# KiCad board for_real_486_2.kicad_pcb (continued)
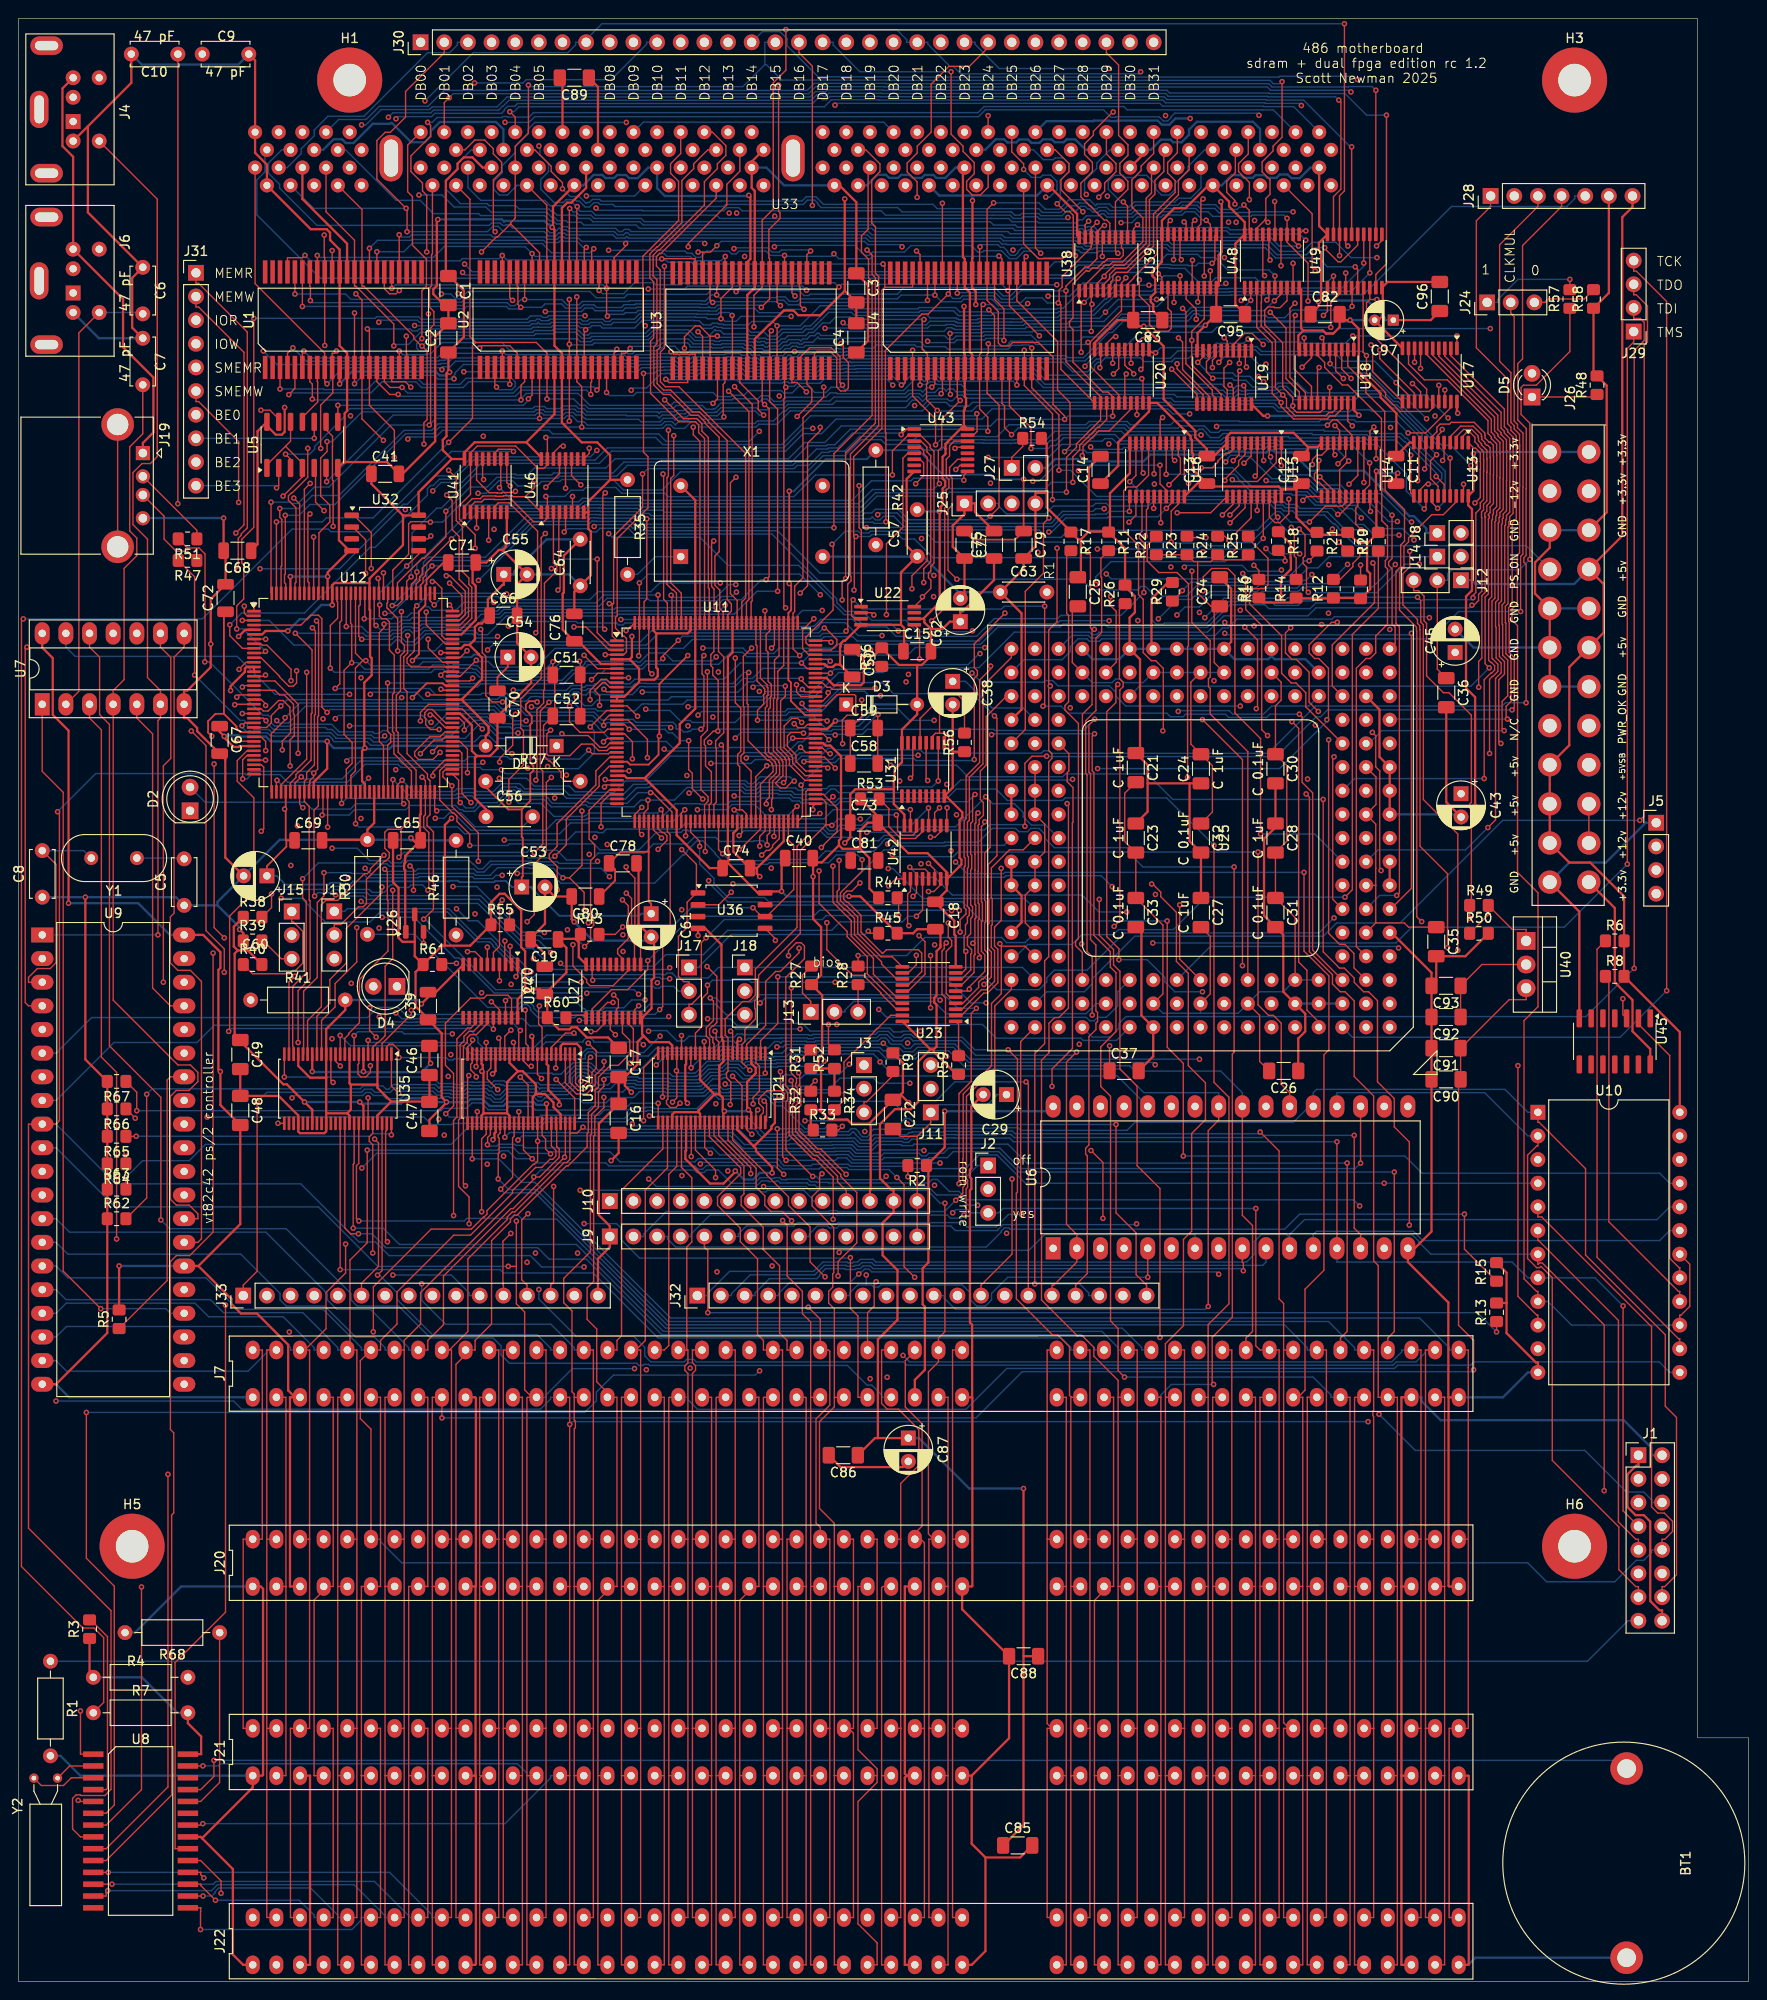
[diagram p0: board, top side]
## Routing (per net, layer and track width the routed paths; a pad name or vN(x,y) marks a point on that pad's centre or on a via; arc(x,y) is an arc through that point) (continued)
IRQ6: length 211.6
  Top w0.15: J21.22 77.46,22.1 ; 77.46,22.1 77.46,1.78 J22.22 ; 77.46,22.1 77.46,40.92 78.96,42.42 ; J20.22 78.96,42.42 ; 78.96,42.42 79.51,42.42 79.51,62.74 J7.22 ; v1(93.22,146.8) 93.22,154.43 94.99,156.2 94.99,163.61 95.52,164.14 U43.5
  In1.Cu w0.15: v1(67.43,65.7) 68.67,64.45 76,64.45 77.46,62.99 77.46,62.74 J7.22
  In2.Cu w0.15: v1(67.43,65.7) 67.23,65.89 67.23,73.69 62.02,78.9 62.02,90.52 62.24,90.74 62.24,91.99 63.79,93.54 63.79,97.25 63.78,97.26 63.78,98.39 63.81,98.42 63.81,99.69 64.72,100.6 64.72,105.96 65.5,106.74 65.5,110.87 64.27,112.09 64.27,117.79 64.39,117.91 64.39,119.85 64.95,120.41 64.95,122.79 64.75,122.99 64.75,124.11 64.56,124.3 64.56,127.02 64.91,127.38 64.91,128.2 64.99,128.27 64.99,134.69 65.83,135.54 65.83,136.05 66.24,136.47 67.18,136.47 v1(67.36,136.64) ; v1(92.58,138.1) 92.58,143.9 92.13,144.35 92.13,145.72 v1(93.22,146.8)
  Bottom w0.15: v1(92.58,138.1) 91.33,138.1 90.86,138.57 88.42,138.57 86.18,136.33 82.76,136.33 82.41,135.98 79.66,135.98 79.6,136.04 77.77,136.04 76.95,135.22 72.35,135.22 72.14,135.43 71.48,135.43 71.26,135.22 71.24,135.22 69.95,136.51 67.23,136.51 v1(67.36,136.64)
IRQ7: length 183
  Top w0.15: J20.21 74.92,42.42 ; 74.92,42.42 74.92,62.67 74.98,62.74 J7.21 ; 74.92,42.42 74.92,22.1 ; v1(88.02,75.77) 88.02,77.32 90.03,79.33 90.03,84.73 88.31,86.45 88.31,86.67 85.93,89.06 85.68,89.06 83.47,91.26 83.47,94.08 83.67,94.27 83.67,95.91 83.47,96.11 83.47,96.44 83.56,96.52 83.56,97 83,97.56 v1(83,106.72) ; 74.92,22.1 74.92,1.78 J22.21 ; 74.92,22.1 J21.21 ; U43.6 96.82,163.49 97.21,163.1 97.21,161.72 v1(96.35,160.86)
  In2.Cu w0.15: v1(83,106.72) 83,106.9 92.81,116.71 92.81,121.88 92.77,121.92 92.77,128.91 94.25,130.39 94.25,138.85 94.05,139.05 94.05,143.62 95.09,144.67 95.09,147.42 95.03,147.48 95.03,149.96 95.05,149.99 95.05,150.34 95.35,150.64 95.35,159.86 v1(96.35,160.86) ; v1(88.02,75.77) 86.74,74.49 86.74,72.91 82.3,68.46 82.3,67.35 79.01,64.06 78.04,64.06 76.97,62.99 76.97,62.74 J7.21
IRQ8: length 197.4
  Top w0.15: v1(6.4,19.44) 6.53,19.44 6.64,19.33 U8.5 ; v1(53.15,164.33) 52.92,164.56 51.53,164.56 51.14,164.17 U41.11 ; v1(0.5,146.35) 0.3,146.15 0.3,44.56 6.91,37.95 8.1,37.95 9.13,36.92 9.13,29.97 R7.1
  In2.Cu w0.15: R7.1 8.02,21.06 v1(6.4,19.44)
  Bottom w0.15: v1(0.5,146.35) 19.73,146.35 29.38,155.99 33.26,155.99 33.54,155.71 37.85,155.71 46.47,164.33 v1(53.15,164.33)
IRQ10: length 205.5
  Top w0.15: v1(49.94,161.31) 49.84,161.42 U41.13 ; J22.65 115.56,1.78 115.56,22.1 ; 115.56,22.1 115.56,40.92 117.06,42.42 ; 115.56,22.1 J21.65 ; v1(99.64,111.55) 99.42,111.33 99.42,110.91 99.18,110.67 99.18,106.01 99.56,105.63 99.56,99.48 v1(99.67,99.36) ; J20.65 117.06,42.42 ; 117.06,42.42 117.61,42.42 117.61,62.74 J7.65
  In1.Cu w0.15: v1(51.07,155.96) 51.94,155.96 56.91,151 61.18,151 63.61,148.56 63.69,148.56 64.03,148.23 64.03,148.13 69.16,143.01 69.58,143.01 70.12,142.46 70.12,141.72 73.89,137.95 74.36,137.95 82.61,129.69 83.36,129.69 83.82,129.23 85.7,129.23 86.39,128.54 88.81,128.54 89.72,127.63 90.14,127.63 93,124.77 93,124.75 93.75,124 93.77,124 93.98,123.79 94.02,123.79 96.38,121.44 v1(100.15,121.44)
  In2.Cu w0.15: J7.65 115.56,62.74 115.56,62.99 113.28,65.28 112.28,65.28 104.79,72.76 104.79,76.88 102.43,79.24 102.43,96.6 v1(99.67,99.36) ; v1(100.15,121.44) 100.07,121.35 100.07,115.77 99.19,114.9 99.19,112 v1(99.64,111.55) ; v1(51.07,155.96) 49.94,157.09 v1(49.94,161.31)
IRQ11: length 216.3
  Top w0.15: 118.1,62.74 118.1,64.55 115.49,67.16 115.49,68.1 114.24,69.35 113.71,69.35 109.87,73.19 109.87,98.93 110.67,99.73 110.67,102.92 111.28,103.52 111.75,103.52 112.77,104.54 112.77,126.36 v1(112.62,126.51) ; 118.1,62.74 J7.66 ; 118.1,62.74 118.1,42.42 ; 118.1,22.1 118.1,1.78 J22.66 ; 118.1,22.1 J21.66 ; 118.1,22.1 118.1,42.42 ; U41.14 49.19,161.25 50.54,159.9 51.38,159.9 51.41,159.86 51.89,159.86 51.95,159.92 53.24,159.92 v1(53.37,160.04) ; 118.1,42.42 J20.66
  In1.Cu w0.15: v1(112.62,126.51) 104.9,126.51 103.12,124.73 95.68,124.73 90.72,129.69 87.17,129.69 87.11,129.75 86.67,129.75 86.33,130.09 85.99,130.43 84.11,130.43 79.72,134.83 79.18,134.83 74.27,139.74 73.6,139.74 73.05,140.28 73.05,140.49 71.71,141.83 71.64,141.83 71.3,142.17 71.3,142.77 61.99,152.08 61.33,152.08 v1(53.37,160.04)
IRQ12: length 230.5
  Top w0.15: U41.3 v1(49.19,156.11) ; 122.69,42.42 122.69,22.1 ; 122.69,42.42 J20.67 ; 122.69,42.42 122.69,62.74 J7.67 ; 122.69,22.1 J21.67 ; 122.69,22.1 122.69,1.78 J22.67 ; v1(130.56,119.7) 130.56,99.79 130.37,99.6 130.37,71.34 128.21,69.18 128.21,64.27 v1(128.36,64.12)
  In1.Cu w0.15: v1(49.19,156.11) 50.1,156.11 53.64,152.58 54.7,152.58 56.41,150.87 56.41,150.08 67.41,139.08 71.36,139.08 73.99,136.45 74.74,136.45 76.38,134.8 76.38,133.33 77.58,132.13 77.58,131.16 77.92,130.82 79.29,130.82 82.83,127.29 83.44,127.29 83.51,127.22 86.69,127.22 87.23,126.68 87.47,126.68 87.58,126.57 89.69,126.57 93.53,122.74 93.59,122.74 93.97,122.35 93.97,121.15 v1(93.85,121.03)
  Bottom w0.15: v1(128.36,64.12) 123.82,64.12 122.69,62.99 122.69,62.74 J7.67 ; v1(130.56,119.7) 120.77,119.7 119.16,121.3 100.88,121.3 100.38,120.81 94.08,120.81 v1(93.85,121.03)
IRQ14: length 226.7
  Top w0.15: 127.77,62.74 127.77,70.55 130.01,72.78 130.01,94.96 128.4,96.57 v1(128.4,122.03) ; 127.77,62.74 J7.69 ; 127.77,62.74 127.77,42.42 ; U41.5 v1(50.49,154.79) ; J21.69 127.77,22.1 ; 127.77,22.1 127.77,1.78 J22.69 ; 127.77,22.1 127.77,42.42 ; 127.77,42.42 J20.69
  In1.Cu w0.15: v1(74.57,135.8) 74.01,135.8 73.09,136.71 72.53,136.71 72.15,136.33 71.67,136.33 70.08,137.92 66.56,137.92 61.08,143.4 60.8,143.4 53.24,150.96 53.24,152.04 v1(50.49,154.79)
  In2.Cu w0.15: v1(76.86,127.34) 76.86,130.42 74.81,132.47 74.81,133.32 74.49,133.63 74.49,135.72 v1(74.57,135.8)
  Bottom w0.15: v1(76.86,127.34) 76.96,127.24 79.49,127.24 79.84,127.59 81.53,127.59 81.64,127.48 82.89,127.48 82.95,127.42 83.24,127.14 84,127.14 84.22,126.92 87,126.92 87.23,126.68 87.71,126.68 88.09,127.06 99.71,127.06 100.71,128.06 104.99,128.06 106.2,126.85 112.14,126.85 112.41,127.12 123.31,127.12 128.4,122.03 v1(128.4,122.03)
IRQ15: length 219.5
  Top w0.15: v1(121.7,117.87) 121.8,117.87 122.69,116.99 122.69,116.5 124.36,114.82 124.36,109.55 125.64,108.27 125.64,98.36 127.48,96.52 127.48,92.56 126,91.08 126,80.58 125.12,79.69 125.12,70.43 123.18,68.49 123.18,62.83 123.27,62.74 ; v1(55.55,144.86) 55.74,145.05 55.74,155.76 52.69,158.81 51.52,158.81 51.14,158.43 U41.6 ; 123.27,62.74 123.18,62.65 123.18,42.42 ; 123.27,62.74 J7.68 ; 123.18,22.1 123.18,1.78 J22.68 ; 123.18,22.1 J21.68 ; 123.18,22.1 123.18,42.42 ; J20.68 123.18,42.42
  In1.Cu w0.15: v1(55.55,144.86) 60,140.41 62.06,140.41 66,136.47 66.72,136.47 67.28,135.9 68.1,135.9 69.47,134.53 69.47,134.43 69.8,134.09 70.01,134.09 74.41,129.69 79.32,129.69 84.27,124.74 87.59,124.74 88.74,123.59 89.62,123.59 92.76,120.46 93.97,120.46 95.52,118.91 120.66,118.91 v1(121.7,117.87)
ISA_00: length 339
  Top w0.15: 59.3,91.11 59.22,91.03 59.22,88.29 58.88,87.95 58.6,87.95 53.3,82.65 53.02,82.65 52.48,82.1 52.48,81.83 48.26,77.61 48.26,69.81 46.27,67.82 ; 59.3,91.11 59.97,91.11 v1(60.61,91.75) ; 59.3,91.11 59.22,91.19 U34.47 ; J20.40 46.49,47.5 ; 46.49,47.5 46.49,67.82 46.27,67.82 ; 46.49,47.5 46.49,27.18 ; J1.7 172.34,50.55 v1(172.34,72.56) ; 46.27,67.82 J7.40 ; U8.11 v1(9.63,11.71) ; 46.49,27.18 46.49,6.86 J22.40 ; 46.49,27.18 J21.40 ; 141.61,78.74 v1(141.61,90.18)
  In1.Cu w0.15: J7.40 44.44,67.82 44.44,68.07 42.17,70.35 23.7,70.35 18.47,75.57 15.93,75.57 7.04,84.46 U9.12
  Bottom w0.15: v1(9.63,11.71) 39.85,11.71 44.44,7.11 44.44,6.86 J22.40 ; v1(172.34,72.56) 169.33,75.57 U10.8 162.11,75.57 160.42,77.26 141.61,77.26 141.61,78.74 ; v1(141.61,90.18) 106.85,90.18 106.44,90.59 106.01,90.59 106,90.57 100.51,90.57 100.48,90.6 99.72,90.6 99.58,90.47 95.94,90.47 95.59,90.12 95.02,90.12 94.91,90.23 92.15,90.23 91.57,89.66 90.22,89.66 89.64,90.23 89.57,90.23 89.55,90.21 89.19,90.21 87.27,90.21 87.23,90.17 83.91,90.17 83.56,90.52 82.95,90.52 82.72,90.3 78.57,90.3 77.34,91.52 60.84,91.52 v1(60.61,91.75)
ISA_01: length 341
  Top w0.15: J22.39 43.95,6.86 43.95,27.18 J21.39 ; U10.7 163.19,77.03 163.24,77.03 163.37,77.16 163.66,77.16 170.31,70.51 v1(170.31,52.7) ; U34.46 58.72,88.61 v1(58.64,88.53) 53.11,83 52.88,83 45.63,75.76 45.63,70.53 43.95,68.84 43.95,67.82 J7.39 ; v1(143.46,90.87) 143.46,80.9 144.14,80.22 U6.14 ; U8.12 v1(10.03,10.44)
  In1.Cu w0.15: J1.8 176.53,50.02 176.25,50.02 175.4,50.87 175.4,51.7 174.4,52.7 v1(170.31,52.7) ; v1(65.91,92.1) 62.34,88.53 v1(58.64,88.53)
  In2.Cu w0.15: J7.39 42.93,64.9 41.78,63.75 41.78,48.64 J20.39 43.95,47.5 43.95,27.18 J21.39
  Bottom w0.15: v1(143.46,90.87) 133.82,90.87 133.58,90.64 106.94,90.64 106.69,90.89 106.64,90.89 106.54,90.99 105.08,90.99 105.02,90.93 100.66,90.93 100.63,90.96 99.57,90.96 99.5,90.89 96.15,90.89 96.08,90.82 95.79,90.82 95.44,90.47 95.17,90.47 95.05,90.59 92,90.59 91.42,90.01 90.36,90.01 89.78,90.59 89.43,90.59 89.4,90.56 89.05,90.56 89.05,90.56 87.13,90.56 87.09,90.52 84.06,90.52 83.71,90.87 82.97,90.87 82.97,90.88 82.8,90.88 82.58,90.65 79.85,90.65 79.4,91.1 79.4,91.22 79.06,91.56 78.32,91.56 78,91.88 66.14,91.88 v1(65.91,92.1) ; v1(10.03,10.44) 20.91,10.44 21.21,10.74 38.21,10.74 41.9,7.05 41.9,6.86 J22.39 ; U9.13 4.02,81.92 5.47,80.47 26.56,80.47 33.16,73.87 33.16,73.19 34.17,72.18 37.79,72.18 41.9,68.07 41.9,67.82 J7.39 ; U10.7 151.69,78.11 150.39,79.41 150.39,79.5 149.67,80.22 144.14,80.22 U6.14
ISA_02: length 327.6
  Top w0.15: J21.38 41.41,27.18 ; 41.41,27.18 41.41,27.18 41.41,6.86 J22.38 ; 41.41,27.18 41.41,47.5 ; J20.38 41.41,47.5 ; 41.41,47.5 41.41,67.82 41.41,67.82 ; U34.44 57.8,92.1 57.8,89.66 58.06,89.4 58.06,88.49 55.97,86.4 v1(55.33,86.4) 55.33,86.15 43.18,74 43.18,70.61 41.41,68.84 41.41,67.82 ; 41.41,67.82 J7.38 ; v1(9.58,9.75) 9.4,9.57 9.4,9.17 U8.13 ; U10.6 163.19,79.57 163.26,79.57 171.84,70.99 171.84,49.35 173.71,47.48 173.99,47.48 J1.9
  In1.Cu w0.15: U10.6 147.12,80.65 146.9,80.43 ; U6.15 146.69,80.21 146.9,80.43 ; 146.9,80.43 v1(144.05,83.29)
  Bottom w0.15: v1(9.58,9.75) 20.72,9.75 21.36,10.39 36.03,10.39 39.36,7.05 39.36,6.86 J22.38 ; v1(144.05,83.29) 143.39,83.94 101.92,83.94 101.02,84.85 99.98,84.85 98.69,86.13 98.13,86.13 97.75,85.76 87,85.76 86.95,85.81 85.75,85.81 85.67,85.89 85.06,85.89 84.78,86.16 82.52,86.16 82.46,86.11 82.43,86.11 82.42,86.11 81.95,86.11 81.73,86.33 81.25,86.33 81.18,86.26 80.7,86.26 80.64,86.33 79.66,86.33 79.06,85.73 76.58,85.73 75.16,87.15 73.89,87.15 73.62,86.87 72.85,86.87 72.57,87.15 56.08,87.15 v1(55.33,86.4) ; J7.38 39.36,67.82 39.36,68.07 38.24,69.19 36.21,69.19 32.87,72.53 28.74,72.53 28.08,73.19 28.08,73.89 23.86,78.11 5.29,78.11 4.02,79.38 U9.14
ISA_03: length 367.8
  Top w0.15: U10.5 163.19,82.11 163.6,82.11 175.4,70.31 175.4,50.97 176.06,50.31 176.77,50.31 177.66,49.42 177.66,48.33 176.81,47.48 176.53,47.48 J1.10 ; J20.37 37.85,59.31 36.7,60.45 36.7,66.67 J7.37 38.87,67.82 38.87,68.84 40.64,70.6 40.64,74.05 46.74,80.15 48.53,80.15 53.05,84.66 53.05,84.94 55.53,87.43 56.19,87.43 57.07,88.3 57.37,88.3 57.71,88.64 57.71,89.25 57.22,89.74 U34.43 ; U8.15 19.56,7.9 19.56,7.9 19.56,7.48 19.54,7.47 v1(19.54,5.57) ; J21.37 38.87,27.18 38.87,6.86 J22.37
  In1.Cu w0.15: 149.23,93.98 151.32,93.98 162.11,83.19 U10.5
  In2.Cu w0.15: J21.37 38.87,27.18 38.87,47.5 J20.37
  Bottom w0.15: J22.37 36.82,6.86 36.82,6.6 35.79,5.57 v1(19.54,5.57) ; J1.10 175.4,46.35 175.4,46.07 174.56,45.23 173.76,45.23 171.45,42.92 164.13,42.92 162.09,44.96 41.16,44.96 38.87,47.24 38.87,47.5 J20.37 ; J7.37 36.82,67.82 36.82,68.07 32.71,72.18 23.52,72.18 20.13,75.57 5.29,75.57 4.02,76.84 U9.15
ISA_04: length 329.8
  Top w0.15: 36.33,27.18 36.33,27.18 36.33,6.86 J22.36 ; 36.33,27.18 36.33,47.5 ; 36.33,27.18 J21.36 ; 36.33,47.5 J20.36 ; 36.33,47.5 36.33,67.82 35.59,67.82 ; v1(19.8,9.17) U8.16 ; 35.59,67.82 J7.36 ; 35.59,67.82 35.59,77.48 37.44,79.33 v1(37.44,89.28) ; v1(57.13,88.88) 56.61,89.41 56.61,90.48 56.22,90.86 U34.41
  In2.Cu w0.15: U10.4 163.19,84.65 163.32,84.65 164.27,83.71 164.27,55.87 172.86,47.28 172.86,45.79 173.71,44.94 173.99,44.94 J1.11 ; U6.18 v1(146.69,85.73)
  Bottom w0.15: J22.36 34.28,6.86 34.28,7.11 31.36,10.04 21.5,10.04 21.12,9.65 21.12,9.52 20.76,9.17 v1(19.8,9.17) ; U9.16 4.02,74.3 5.09,73.22 20.61,73.22 22,71.83 30.52,71.83 34.28,68.07 34.28,67.82 J7.36 ; U10.4 v1(146.69,85.73) 108.13,85.73 105.09,88.77 103.15,88.77 101.69,87.31 95.81,87.31 95.57,87.55 89.34,87.55 89.12,87.77 85.29,87.77 85.13,87.61 82.19,87.61 81.86,87.95 81.86,88.06 81.55,88.37 73.48,88.37 73.47,88.38 72.99,88.38 72.63,88.02 64.6,88.02 63.52,89.1 57.36,89.1 v1(57.13,88.88) 57.08,88.93 53.76,88.93 53.13,89.57 51.71,89.57 51.42,89.28 v1(37.44,89.28)
ISA_05: length 325.1
  Top w0.15: J22.35 33.79,6.86 33.79,27.18 J21.35 ; U6.19 v1(144.14,87.88) ; v1(38.1,69.77) 38.1,74.59 44.31,80.8 48.63,80.8 49.91,82.09 49.98,82.09 50.31,82.42 50.31,82.79 55.3,87.78 55.41,87.78 55.75,88.12 v1(55.75,90.24) 55.75,92.15 U34.40 ; v1(21.14,8.72) 19.56,10.3 19.56,10.44 U8.17
  In1.Cu w0.15: v1(38.1,69.77) 35.49,69.77 33.79,68.07 33.79,67.82 J7.35 ; U6.19 144.14,95.46 154.93,95.46 162.11,88.27 U10.3
  In2.Cu w0.15: J1.12 176.53,44.94 176.25,44.94 175.4,45.79 175.4,46.62 174.4,47.62 173.63,47.62 164.62,56.64 164.62,85.9 163.32,87.19 163.19,87.19 U10.3 ; J7.35 32.77,65.28 34.04,64.01 34.04,48.77 J20.35 33.79,47.5 33.79,27.18 J21.35
  Bottom w0.15: J7.35 31.74,67.82 31.74,68.07 28.43,71.39 20.4,71.39 18.95,72.84 5.1,72.84 4.02,71.76 U9.17 ; v1(55.75,90.24) 76.45,90.24 77.58,89.12 87.67,89.12 87.71,89.16 89.22,89.16 89.78,88.6 92.61,88.6 92.96,88.95 96.72,88.95 97.01,88.67 97.48,88.67 97.77,88.95 99.34,88.95 99.89,89.5 105.4,89.5 107.6,87.3 143.56,87.3 v1(144.14,87.88) ; v1(21.14,8.72) 30.14,8.72 31.74,7.11 31.74,6.86 J22.35
ISA_06: length 330.3
  Top w0.15: 31.25,47.5 31.25,67.82 30.74,67.82 ; 31.25,47.5 31.25,47.5 31.25,27.18 J21.34 29.2,27.18 29.2,6.86 J22.34 ; 31.25,47.5 J20.34 ; v1(53.89,97.13) 54.72,96.29 U34.38 ; J7.34 30.74,67.82 ; 30.74,67.82 33.02,70.1 33.02,73.99 35.12,76.09 v1(35.12,79.2) ; U8.18 19.56,11.71 19.56,11.46 v1(19.89,11.12) ; J1.13 173.99,42.4 173.71,42.4 171.89,44.22 171.89,48.81 164.74,55.96 164.74,75.59 163.55,76.78 163.48,76.78 163.37,76.66 163.06,76.66 162.08,77.64 162.08,88.75 163.07,89.73 163.19,89.73 U10.2
  In1.Cu w0.15: v1(53.89,97.13) 53.89,96.67 36.41,79.2 v1(35.12,79.2) ; v1(126.84,99.05) 130.44,95.46 141.61,95.46 141.61,93.98 ; v1(19.89,11.12) 25.19,11.12 29.2,7.11 29.2,6.86 J22.34
  Bottom w0.15: J7.34 29.2,67.82 29.2,68.07 26.93,70.34 5.14,70.34 4.02,69.22 U9.18 ; 141.61,93.98 141.61,95.46 157.47,95.46 162.11,90.81 U10.2 ; v1(126.84,99.05) 102.19,99.05 100.56,100.68 96.25,100.68 95.77,100.21 95.25,100.21 94.8,100.66 93.71,100.66 93.46,100.91 93.46,101 93.13,101.34 92.65,101.34 92.32,101.01 85.61,101.01 85.5,100.9 84.66,100.9 84.58,100.98 82.06,100.98 81.86,100.78 81.69,100.95 81.21,100.95 80.52,100.26 77.05,100.26 76.89,100.43 75.39,100.43 74.84,99.88 68.73,99.88 66.73,97.87 62.25,97.87 61.5,98.62 61.28,98.62 61.22,98.68 59.57,98.68 59.13,98.24 59.04,98.24 58.25,97.45 57.38,97.45 57.28,97.55 54.31,97.55 v1(53.89,97.13)
ISA_07: length 331.6
  Top w0.15: U34.37 54.22,89.3 v1(55.17,88.36) ; 26.66,27.18 26.66,27.18 26.66,6.86 J22.33 ; 26.66,27.18 J21.33 ; 26.66,27.18 26.66,47.5 ; v1(21.74,9.46) 21.74,10.79 19.56,12.98 U8.19 ; v1(82.19,86.68) 81.49,87.38 v1(81.49,91.58) ; J7.33 26.66,67.82 26.66,47.5 ; J1.14 176.53,42.4 176.81,42.4 178.08,43.67 178.08,60.57 176.87,61.78 176.87,69.46 168.31,78.02 168.31,87.29 163.32,92.27 163.19,92.27 U10.1 ; 26.66,47.5 J20.33
  In1.Cu w0.15: J22.33 26.66,6.86 26.66,7.11 24.32,9.46 v1(21.74,9.46)
  In2.Cu w0.15: J7.33 28.71,67.82 28.71,68.5 30.48,70.27 30.48,74.79 33.2,77.5 33.2,83.69 v1(36.86,87.36)
  Bottom w0.15: J7.33 26.66,67.82 26.66,67.56 24.64,65.54 5.16,65.54 4.02,66.68 U9.19 ; 139.06,94.41 136.93,92.28 119.93,92.28 119.06,91.41 107.63,91.41 107.36,91.69 104.79,91.69 104.74,91.64 100.94,91.64 100.92,91.66 95.92,91.66 95.79,91.53 91.83,91.53 91.47,91.17 91.47,91.05 91.13,90.71 90.65,90.71 90.32,91.05 90.32,91.17 89.91,91.58 89.42,91.58 89.11,91.27 86.82,91.27 86.78,91.23 84.35,91.23 84,91.58 83.26,91.58 83.26,91.58 81.49,91.58 v1(81.49,91.58) ; 139.06,94.41 139.06,93.98 ; 139.06,94.41 139.06,95.46 139.42,95.81 159.65,95.81 162.11,93.35 U10.1 ; v1(82.19,86.68) 82.13,86.68 81.19,87.62 73.87,87.62 73.47,87.23 72.99,87.23 72.63,87.59 63.4,87.59 63.06,87.92 55.6,87.92 v1(55.17,88.36) 53.44,88.36 52.58,89.22 51.85,89.22 51.57,88.93 38.44,88.93 v1(36.86,87.36)
ISA_08: length 174.6
  Top w0.15: 135.88,47.5 135.88,67.82 ; 135.88,47.5 135.88,27.78 136.48,27.18 ; 135.88,47.5 J20.91 ; 135.88,67.82 135.88,72.82 135.39,73.31 135.39,89.2 v1(133.36,91.23) ; 135.88,67.82 J7.91 ; 136.48,27.18 135.88,27.18 135.88,6.86 J22.91 ; 136.48,27.18 J21.91 ; U34.36 v1(53.72,93.41)
  In1.Cu w0.15: v1(53.72,93.41) 55.21,94.9 57,94.9 57.5,94.4 57.5,93.92 58.4,93.03 67.69,93.03 v1(67.75,92.96)
  Bottom w0.15: v1(67.75,92.96) 67.84,92.88 78.24,92.88 80.12,91 82.43,91 82.66,91.23 83.11,91.23 83.11,91.23 83.85,91.23 84.2,90.88 86.94,90.88 86.98,90.92 89.26,90.92 89.57,91.23 89.67,91.23 89.96,90.94 89.96,90.9 90.51,90.36 91.28,90.36 91.85,90.94 95.2,90.94 95.3,90.83 95.65,91.17 95.94,91.17 96,91.24 99.35,91.24 99.42,91.31 100.78,91.31 100.8,91.28 104.87,91.28 104.93,91.34 106.74,91.34 107.03,91.04 133.17,91.04 v1(133.36,91.23)
ISA_09: length 167.7
  Top w0.15: J7.92 140.47,67.82 140.47,47.5 ; J21.92 140.47,27.18 ; 140.47,27.18 140.47,27.18 140.47,6.86 J22.92 ; 140.47,27.18 140.47,47.5 ; U34.35 53.22,90.77 53.06,90.61 53.06,86.37 v1(51.78,85.09) ; 140.47,47.5 J20.92
  Bottom w0.15: J7.92 138.42,67.82 138.42,68.07 135.97,70.52 69.64,70.52 55.46,84.7 52.17,84.7 v1(51.78,85.09)
ISA_10: length 137
  Top w0.15: U34.33 52.22,90.67 v1(52.23,90.67) ; J7.93 141.99,69.09 142.7,69.81 v1(142.7,87.89)
  In2.Cu w0.15: J7.93 140.96,67.82 140.96,47.5 J20.93
  Bottom w0.15: v1(52.23,90.67) 52.73,91.17 76.67,91.17 77.96,89.89 82.81,89.89 82.87,89.95 83.64,89.95 83.77,89.82 87.38,89.82 87.42,89.86 89.34,89.86 89.51,89.86 90.07,89.3 91.71,89.3 92.29,89.88 94.76,89.88 94.88,89.77 96.02,89.77 96.18,89.92 106.27,89.92 108.3,87.89 v1(142.7,87.89)
ISA_11: length 172.1
  Top w0.15: 145.55,47.5 145.55,27.18 ; 145.55,47.5 145.55,60.68 145.47,60.76 145.47,61.26 145.55,61.34 145.55,67.82 J7.94 ; 145.55,47.5 J20.94 ; 145.55,27.18 145.55,27.18 145.55,6.86 J22.94 ; 145.55,27.18 J21.94 ; v1(51.51,86.19) 51.51,88.88 51.61,88.98 51.61,90.56 51.51,90.67 51.51,90.91 51.72,91.13 U34.32
  Bottom w0.15: v1(51.51,86.19) 52.65,85.05 55.61,85.05 69.78,70.87 140.7,70.87 143.5,68.07 143.5,67.82 J7.94
ISA_12: length 145.6
  Top w0.15: v1(147.77,86.93) 147.77,69.8 147.07,69.09 J7.95 ; U34.30 50.67,92.11 50.67,90.94 50.37,90.65 50.37,89.88 v1(50.35,89.86)
  In2.Cu w0.15: J20.95 146.04,47.5 146.04,60.01 148.09,62.06 148.09,63.41 146.04,65.47 146.04,67.82 J7.95
  Bottom w0.15: v1(50.35,89.86) 50.5,89.72 51.36,89.72 51.56,89.92 53.27,89.92 53.4,89.79 54.13,89.79 54.4,89.52 74.55,89.52 75.31,88.77 87.82,88.77 87.85,88.81 89.08,88.81 89.63,88.25 92.76,88.25 92.98,88.48 96.7,88.48 96.86,88.32 97.63,88.32 97.79,88.48 99.75,88.48 100.39,89.12 105.27,89.12 107.46,86.93 v1(147.77,86.93)
ISA_13: length 183.5
  Top w0.15: v1(49.74,82.66) 49.74,90.51 50.22,91 U34.29 ; J7.96 150.63,67.82 150.63,47.5 ; 150.63,47.5 150.63,27.18 ; 150.63,47.5 J20.96 ; 150.63,27.18 150.63,6.86 J22.96 ; 150.63,27.18 J21.96
  In1.Cu w0.15: v1(54.62,77.23) 54.71,77.33 72.63,77.33 75.09,74.87 78.44,74.87 79.25,74.05 79.25,73.31 82.81,69.75 93.52,69.75 95,68.28 v1(95,67.23)
  In2.Cu w0.15: v1(54.62,77.23) 54.53,77.23 49.74,82.03 v1(49.74,82.66)
  Bottom w0.15: J7.96 148.58,67.82 148.58,67.63 147.49,66.54 95.69,66.54 v1(95,67.23)
ISA_14: length 190.2
  Top w0.15: J21.97 151.12,27.18 ; J20.97 151.12,47.5 ; 151.12,47.5 151.12,47.5 151.12,67.82 J7.97 ; 151.12,47.5 151.12,27.18 ; v1(49.26,93.43) 49.22,93.39 U34.27 ; J22.97 151.12,6.86 151.12,27.18
  In2.Cu w0.15: v1(49.26,93.43) 49.3,93.39 49.3,84.25 51.6,81.94 51.6,80.74 54.54,77.81 54.86,77.81 55.88,76.79 v1(55.88,74.32)
  Bottom w0.15: v1(55.88,74.32) 55.88,73.29 59.88,69.29 66.06,69.29 67.25,68.1 67.25,67.18 67.89,66.54 71.49,66.54 71.75,66.8 72.52,66.8 72.78,66.54 95.05,66.54 95.4,66.19 147.64,66.19 147.99,66.54 150.1,66.54 151.12,67.56 151.12,67.82 J7.97
ISA_15: length 184.5
  Top w0.15: U34.26 v1(48.72,88.35) ; 155.71,47.5 155.71,27.18 J21.98 153.66,27.18 153.66,6.86 J22.98 ; 155.71,47.5 J20.98 ; 155.71,47.5 155.71,65.45 155.71,65.46 155.71,65.93 155.71,65.94 155.71,67.82 J7.98
  Bottom w0.15: J7.98 153.66,67.82 153.66,68.07 150.49,71.25 70.03,71.25 55.46,85.82 54.09,85.82 51.57,88.35 v1(48.72,88.35)
ISA_A00: length 117.1
  Top w0.15: U21.47 79.7,93.01 79.99,93.31 79.99,93.82 79.5,94.31 79.5,94.79 80.38,95.67 81.92,95.67 82.26,95.33 82.26,94.85 82.07,94.66 82.07,88.56 v1(82.43,88.19) ; J21.62 100.32,27.18 ; 100.32,27.18 100.32,47.5 ; 100.32,27.18 100.32,6.86 J22.62 ; 100.32,47.5 100.32,67.82 J7.62 ; 100.32,47.5 J20.62
  In2.Cu w0.15: J7.62 101.35,69.09 101.98,69.73 101.98,77.59 98.92,80.65 98.92,85.21 98.98,85.27 v1(98.98,87.9)
  Bottom w0.15: v1(82.43,88.19) 87.74,88.19 88,88.45 88.93,88.45 89.49,87.9 v1(98.98,87.9)
ISA_A01: length 110.9
  Top w0.15: v1(99.5,83.59) 99.5,69.79 98.81,69.09 J7.61 98.81,66.54 97.73,65.46 97.73,48.07 98.29,47.5 ; U21.46 79.2,93.42 v1(79.39,93.61) ; 97.78,27.18 97.78,47.5 98.29,47.5 ; 97.78,27.18 97.78,6.86 J22.61 ; 97.78,27.18 J21.61 ; 98.29,47.5 J20.61
  In2.Cu w0.15: v1(80.02,85.37) 79.39,86 v1(79.39,93.61)
  Bottom w0.15: v1(99.5,83.59) 98.99,83.59 97.62,84.96 84.99,84.96 84.57,85.37 v1(80.02,85.37)
ISA_A02: length 116.4
  Top w0.15: U21.44 78.2,91.49 78.71,90.99 v1(78.76,90.99) ; 96.27,48.14 97.04,48.91 97.04,59.89 95.24,61.7 95.24,66.66 96.27,67.69 J7.60 ; 96.27,48.14 J20.60 ; 96.27,48.14 97.29,47.11 97.29,27.18 ; v1(94.34,86.35) 95.11,85.58 95.11,76.76 v1(96.24,75.63) ; J21.60 97.29,27.18 ; 97.29,27.18 97.29,6.86 J22.60
  In2.Cu w0.15: J7.60 96.27,69.09 96.91,69.74 96.91,74.96 v1(96.24,75.63) ; v1(78.76,90.99) 75.53,90.99 73.23,88.68 v1(73.23,87.8)
  Bottom w0.15: v1(73.23,87.8) 73.4,87.98 81.37,87.98 81.51,87.84 81.51,87.8 82.05,87.26 85.99,87.26 86.14,87.42 88.98,87.42 89.2,87.19 93.49,87.19 v1(94.34,86.35)
ISA_A03: length 132.5
  Top w0.15: U21.43 77.7,96.21 v1(76.69,97.22) ; 94.75,27.18 94.75,27.18 94.75,47.5 ; 94.75,27.18 94.75,6.86 J22.59 ; 94.75,27.18 J21.59 ; 94.75,47.5 94.75,53.48 96.69,55.42 96.69,59.27 94.5,61.46 93.3,61.46 92.7,62.06 92.7,67.82 J7.59 ; 94.75,47.5 J20.59
  In2.Cu w0.15: v1(95.73,96.47) 96.32,95.89 96.32,88.86 96.48,88.69 96.48,85.45 97.65,84.29 97.65,76.87 99.47,75.04 99.47,71.8 97.45,69.78 97.45,67.28 96.71,66.54 93.73,66.54 J7.59 ; v1(75.89,96.38) 76.69,97.18 v1(76.69,97.22)
  Bottom w0.15: v1(75.89,96.38) 76.04,96.23 81.86,96.23 82.31,95.78 87,95.78 88.23,97.01 91.84,97.01 92.38,96.47 v1(95.73,96.47)
ISA_A04: length 101.3
  Top w0.15: U21.41 76.7,90.35 80.36,86.68 80.36,86.6 82.69,84.27 82.69,83.35 85.02,81.03 85.02,77.28 v1(86.62,75.68) ; J7.58 91.19,71.82 91.9,72.53 91.9,74.94 v1(92.11,75.15) ; J21.58 92.21,27.18 92.21,47.5 J20.58
  In1.Cu w0.15: v1(92.11,75.15) 87.14,75.15 v1(86.62,75.68)
  In2.Cu w0.15: J7.58 92.21,67.82 92.21,47.5 J20.58 ; J22.58 92.21,6.86 92.21,27.18 J21.58
ISA_A05: length 97.4
  Top w0.15: J21.57 89.16,27.18 ; 89.16,27.18 89.67,27.18 89.67,47.5 J20.57 ; 89.16,27.18 89.67,26.66 89.67,6.86 J22.57 ; U21.40 76.2,90.35 79.22,87.33 79.22,85.31 80.15,84.37 80.15,83.35 80.81,82.69 82.04,82.69 v1(83.03,81.7)
  In2.Cu w0.15: 89.16,67.82 89.67,67.82 89.67,47.5 J20.57 ; 89.16,67.82 89.28,67.94 89.28,75.32 85.23,79.37 85.23,80.25 83.78,81.7 v1(83.03,81.7) ; 89.16,67.82 J7.57
ISA_A06: length 97.3
  Top w0.15: J21.56 87.13,27.18 ; 87.13,27.18 87.13,47.5 J20.56 86.11,48.77 85.65,49.23 85.65,60.41 87.13,61.89 87.13,67.67 86.99,67.82 J7.56 86.11,71.13 v1(84.82,72.41) ; 87.13,27.18 87.13,6.86 J22.56 ; U21.38 75.2,90.83 78.64,87.39 v1(78.64,86.76)
  In1.Cu w0.15: v1(80.94,76.84) 80.28,76.84 77.59,79.54 77.59,85.71 v1(78.64,86.76)
  In2.Cu w0.15: v1(84.82,72.41) 82.65,72.41 81.74,73.32 81.74,76.04 v1(80.94,76.84)
ISA_A07: length 95.1
  Top w0.15: J20.55 82.54,47.5 82.54,27.18 ; J22.55 82.54,6.86 82.54,27.18 ; 82.54,27.18 J21.55 ; U21.37 74.7,90.82 77.91,87.6 77.91,84.58 77.61,84.29 77.61,83.35 79.98,80.99 79.98,78.62 81.74,76.86 81.74,69.64 82.54,68.84 82.54,67.82 J7.55
  In2.Cu w0.15: J7.55 84.59,67.82 84.59,47.5 J20.55
ISA_A08: length 95
  Top w0.15: J21.54 82.05,27.18 ; 82.05,27.18 82.05,47.5 ; 82.05,27.18 82.05,6.86 J22.54 ; 82.05,47.5 82.05,67.82 J7.54 80,67.82 80,68.84 79.37,69.48 79.37,77.6 77.52,79.45 77.52,80.91 75.07,83.35 75.07,84.29 77.56,86.77 77.56,87.38 74.2,90.73 U21.36 ; 82.05,47.5 J20.54
ISA_A09: length 72.3
  Top w0.15: U21.35 73.7,89.56 v1(74.31,88.95)
  In2.Cu w0.15: J22.53 77.46,6.86 77.46,27.18 ; J21.53 77.46,27.18 ; 77.46,27.18 77.46,47.5 J20.53 ; J7.53 77.46,67.82 77.46,68.84 76.84,69.46 76.84,75.37 77.6,76.13 77.6,87.29 75.94,88.95 v1(74.31,88.95)